# Altium PCB PCB1.pcbdoc
Units mil, origin at the board's own origin, x right, y up, seen from the top; angles counter-clockwise.
Board outline 3162.5 x 2875 mil, 4 copper layers (Top Layer, Inner1, Inner2, Bottom Layer); 70 components, 57 nets, 320 pads, 344 vias.
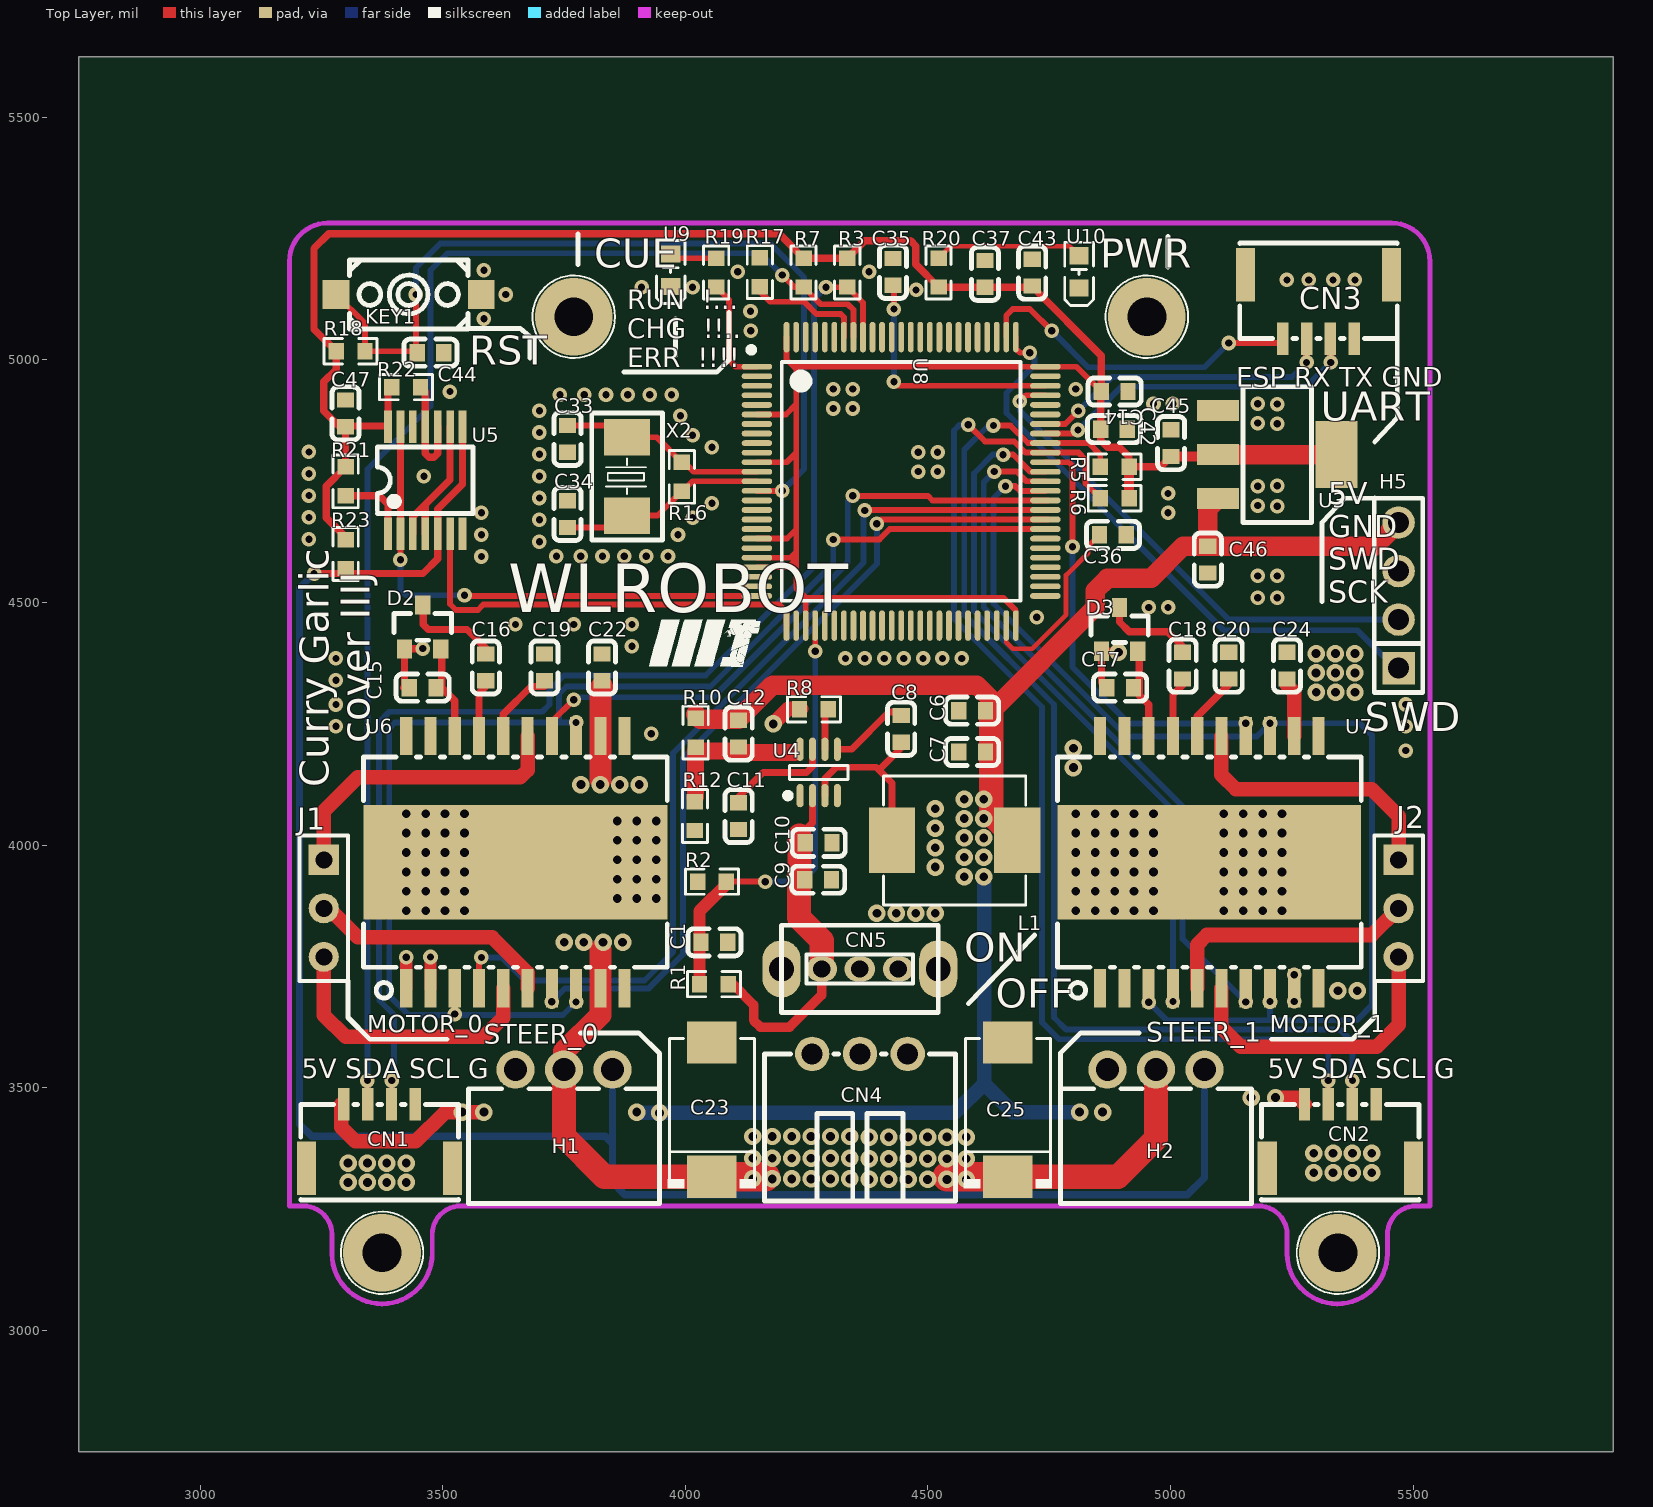
[diagram p0: Top Layer view]
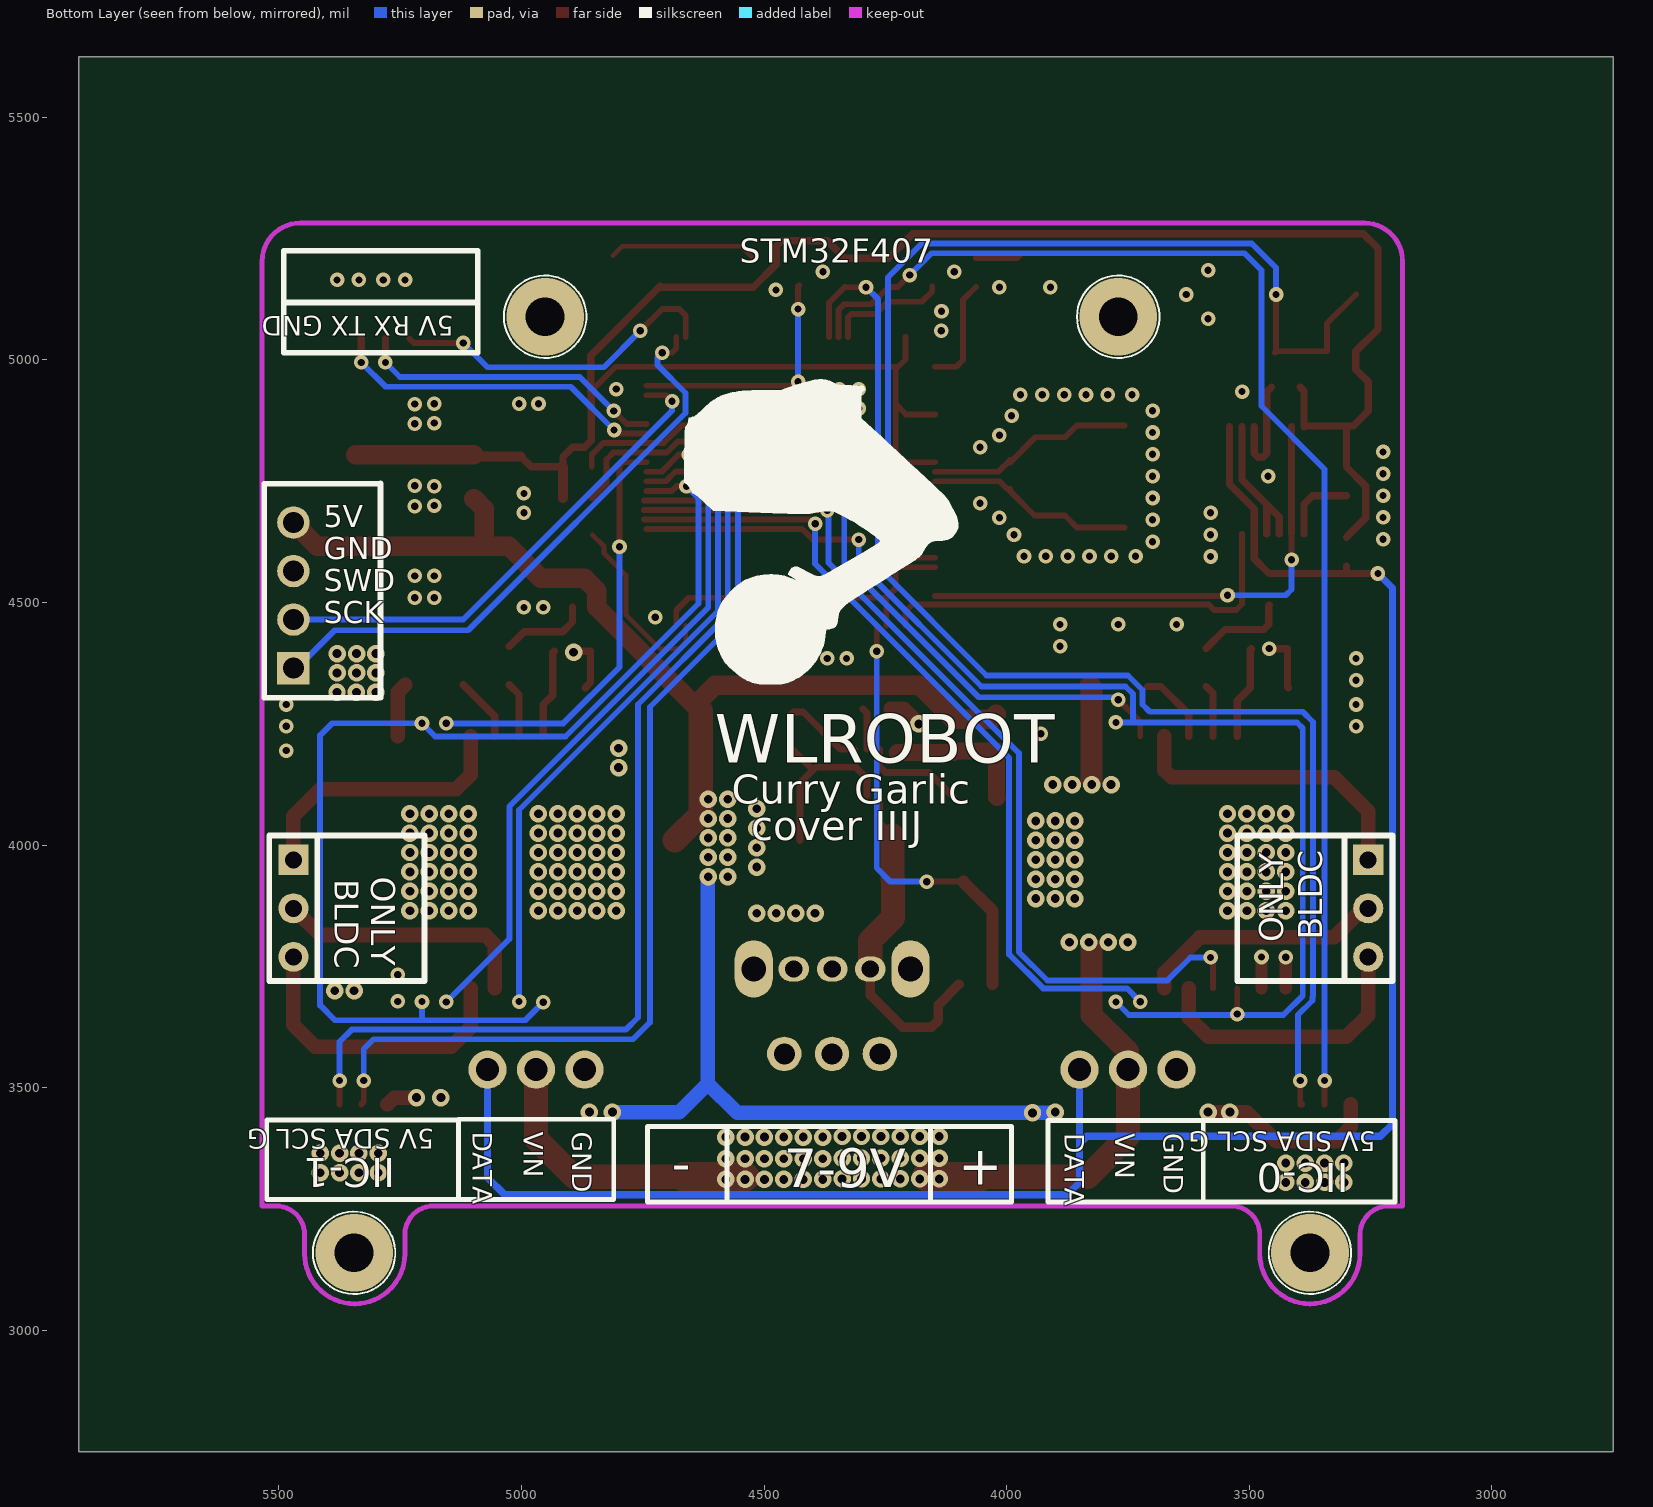
[diagram p1: Bottom Layer view, seen from below]
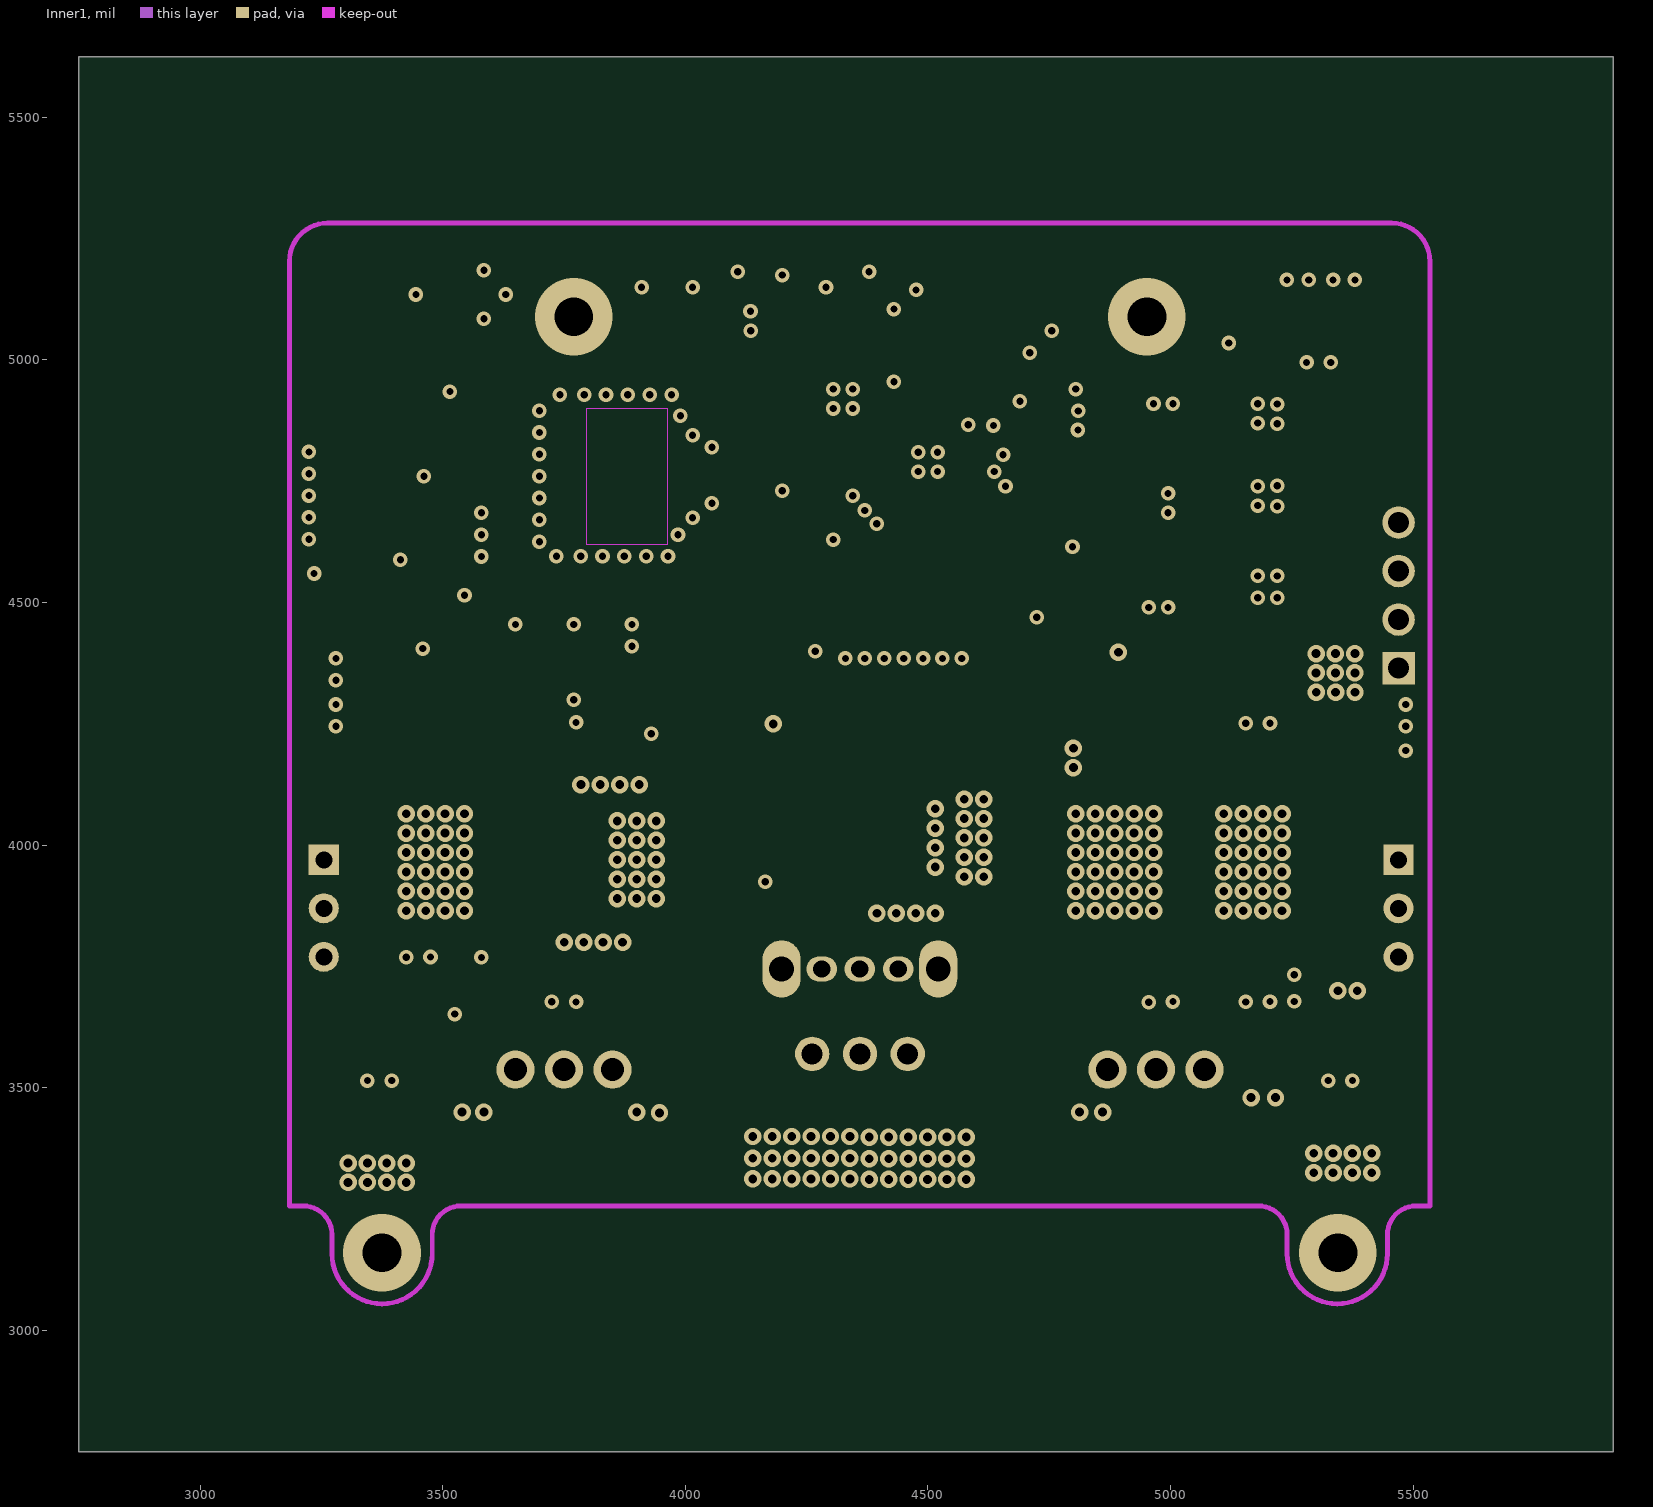
[diagram p2: Inner1]
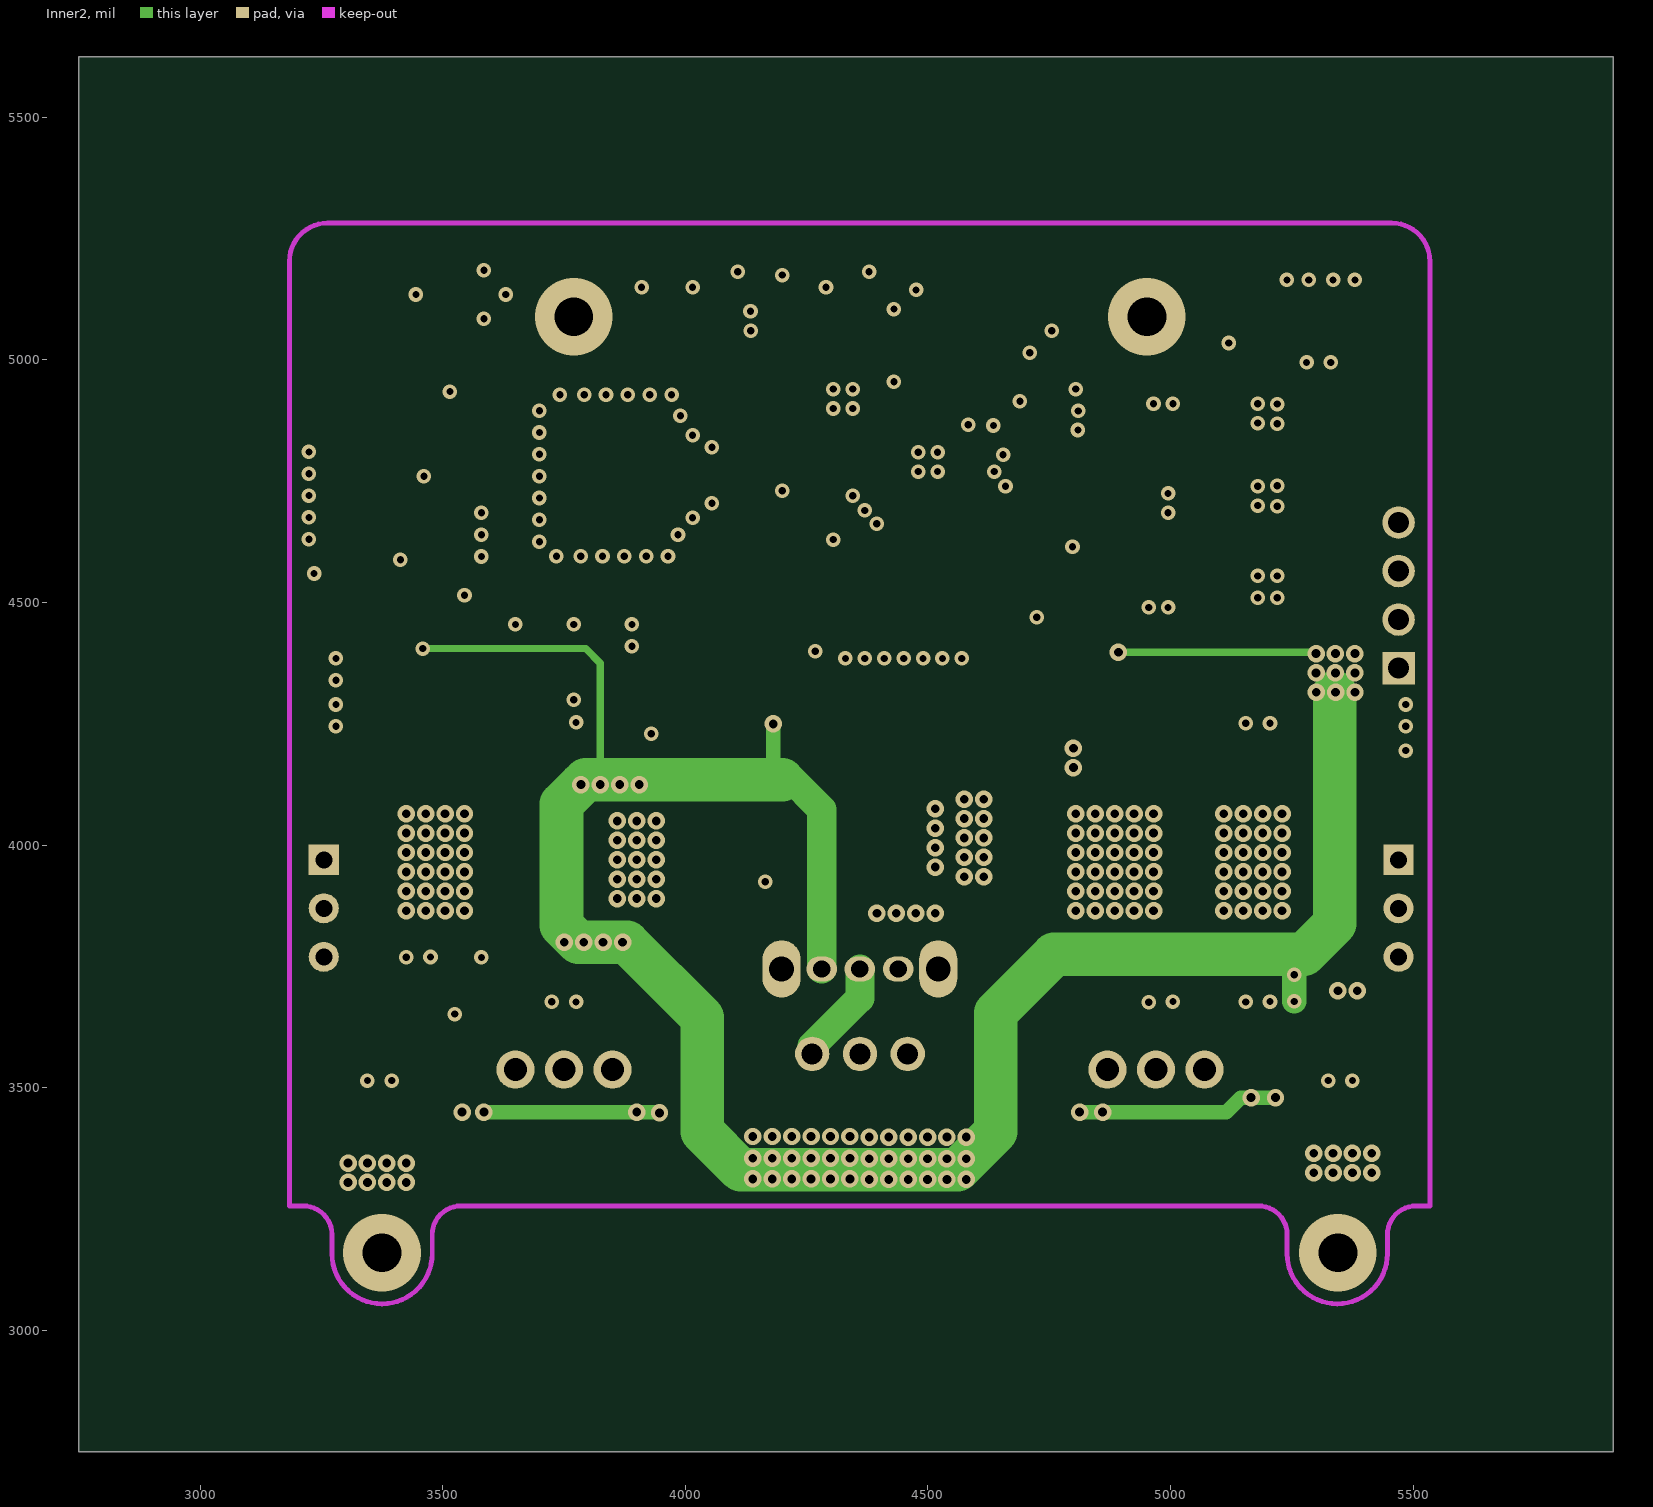
[diagram p3: Inner2]

## Layer stack, top to bottom
Top Layer: signal copper (thickness not stored)
Dielectric: dielectric 12.6, FR-4, Dk 4.8
Inner1: signal copper (thickness not stored)
Dielectric: dielectric 12.6, FR-4, Dk 4.8
Inner2: signal copper (thickness not stored)
Dielectric: dielectric 12.6, FR-4, Dk 4.8
Bottom Layer: signal copper (thickness not stored)

## Board outline
5912.5,2750 2750,2750 2750,5625 5912.5,5625

## Design rules (kind name [scope] priority, off if disabled: settings)
BoardOutlineClearance copperThickness1oz [All] p0: genericclearance=10 ignorepadtopadclearanceinfootprint=FALSE except(0: Arc-SplitContinuation Track-SplitContinuation SMDPad-SplitContinuation THPad-SplitContinuation Via-SplitContinuation Fill-SplitContinuation Poly-SplitContinuation Region-SplitContinuation Text-SplitContinuation; 6: Track-CutoutEdge SMDPad-CutoutEdge THPad-CutoutEdge Via-CutoutEdge Region-CutoutEdge; 11.8: Track-OutlineEdge SMDPad-OutlineEdge THPad-OutlineEdge Via-OutlineEdge Fill-OutlineEdge Region-OutlineEdge Poly-OutlineEdge Text-OutlineEdge Fill-CutoutEdge)
BoardOutlineClearance copperThickness2oz [All] p0: genericclearance=10 ignorepadtopadclearanceinfootprint=FALSE except(0: Arc-SplitContinuation Track-SplitContinuation SMDPad-SplitContinuation THPad-SplitContinuation Via-SplitContinuation Fill-SplitContinuation Poly-SplitContinuation Region-SplitContinuation Text-SplitContinuation; 6: Track-CutoutEdge SMDPad-CutoutEdge THPad-CutoutEdge Via-CutoutEdge Region-CutoutEdge; 11.8: Track-OutlineEdge SMDPad-OutlineEdge THPad-OutlineEdge Via-OutlineEdge Fill-OutlineEdge Region-OutlineEdge Poly-OutlineEdge Text-OutlineEdge Fill-CutoutEdge)
Clearance copperThickness1oz [(InNet('GND') OR InNet('BAT_ADC') OR InNet('VCC-3.3V') OR InNet('VCC-5V') OR InNet('$1N4151') OR InNet('$1N4149') OR InNet('VIN') OR InNet('$1N4146') OR InNet('$1N4153') OR InNet('$1N4127') OR InNet('$1N4212') OR InNet('$1N4128') OR InNet('$1N4131') OR InNet('$1N4213') OR InNet('$1N4132') OR InNet('$1N4124') OR InNet('$1N4123') OR InNet('NRST') OR InNet('SCL_0') OR InNet('SDA_0') OR InNet('SCL_1') OR InNet('SDA_1') OR InNet('TX_0') OR InNet('RX_0') OR InNet('$1N4217') OR InNet('DATA') OR InNet('SWCLK') OR InNet('SWDIO') OR InNet('M0_OUT2') OR InNet('M0_OUT1') OR InNet('M0_OUT3') OR InNet('M1_OUT3') OR InNet('M1_OUT2') OR InNet('M1_OUT1') OR InNet('$1N4184') OR InNet('$1N4145') OR InNet('$1N19370') OR InNet('LED') OR InNet('M0_IN3') OR InNet('M0_EN') OR InNet('M0_IN2') OR InNet('M0_IN1') OR InNet('M1_IN3') OR InNet('M1_IN2') OR InNet('M1_IN1') OR InNet('M1_EN') OR InNet('SERVO_RX') OR InNet('SERVO_TX') OR InNet('$1N19371') OR InNet('$1N19603') OR InNet('PH0') OR InNet('PH1') OR InNet('VCAP_2') OR InNet('VCAP_1') OR InNet('BOOT0') OR InNet('$1N30653') OR InNet('ESP_IO0'))] p1: gap=7 ignorepadtopadclearanceinfootprint=FALSE except(4: Track-Track; 6: Track-SMDPad SMDPad-SMDPad Track-THPad SMDPad-THPad THPad-THPad Track-Via SMDPad-Via THPad-Via Via-Via SMDPad-Fill THPad-Fill Via-Fill Fill-Fill Track-Region SMDPad-Region THPad-Region Via-Region Region-Region Track-Poly SMDPad-Poly THPad-Poly Via-Poly Fill-Poly Region-Poly Poly-Poly Track-Text SMDPad-Text THPad-Text Via-Text Fill-Text Region-Text Poly-Text Text-Text; 6.9: Track-Hole SMDPad-Hole THPad-Hole Via-Hole Fill-Hole Region-Hole Poly-Hole Text-Hole Sheet-Hole; 11.8: Track-Fill Fill-Region Track-Sheet SMDPad-Sheet THPad-Sheet Via-Sheet Fill-Sheet Region-Sheet Poly-Sheet Text-Sheet)
Clearance copperThickness2oz [All] p1: gap=7 ignorepadtopadclearanceinfootprint=FALSE except(6: Track-SMDPad SMDPad-SMDPad Track-THPad SMDPad-THPad THPad-THPad Track-Via SMDPad-Via THPad-Via Via-Via SMDPad-Fill THPad-Fill Via-Fill Fill-Fill Track-Region SMDPad-Region THPad-Region Via-Region Region-Region Track-Poly SMDPad-Poly THPad-Poly Via-Poly Fill-Poly Region-Poly Poly-Poly Track-Text SMDPad-Text THPad-Text Via-Text Fill-Text Region-Text Poly-Text Text-Text; 6.9: Track-Hole SMDPad-Hole THPad-Hole Via-Hole Fill-Hole Region-Hole Poly-Hole Text-Hole Sheet-Hole; 8: Track-Track; 11.8: Track-Fill Fill-Region Track-Sheet SMDPad-Sheet THPad-Sheet Via-Sheet Fill-Sheet Region-Sheet Poly-Sheet Text-Sheet)
DiffPairsRouting differentialPair [All] p1: maxuncoupledlength=10 minlimit=6 maxlimit=6 mostfreqgap=6 toplayer_minwidth=5 toplayer_prefwidth=10 toplayer_maxwidth=100 bottomlayer_minwidth=5 bottomlayer_prefwidth=10 bottomlayer_maxwidth=100 midlayer1_minwidth=5 midlayer1_prefwidth=10 midlayer1_maxwidth=100 midlayer2_minwidth=5 midlayer2_prefwidth=10 midlayer2_maxwidth=100
PasteMaskExpansion pasteMaskExpansion [All] p1: expansion=0
PlaneConnect innerPlane [All] p1: planeconnectstyle=Direct reliefexpansion=20 reliefentries=4 reliefconductorwidth=10 reliefairgap=10
PolygonConnect copperRegion [All] p1: connectstyle=Direct reliefentries=4 reliefconductorwidth=10 polygonreliefangle="90 Angle" airgapwidth=10
RoutingVias viaSize [All] p1: viastyle="Through Hole" holewidth=12 minholewidth=11.8 maxholewidth=248 width=24 minwidth=19.7 maxwidth=393.7
SolderMaskExpansion solderMaskExpansion [All] p1: useseparateexpansions=TRUE expansion=2 expansionbottom=2
Width copperThickness1oz [All] p1: maxlimit=100 minlimit=5 preferedwidth=10
Width copperThickness2oz [All] p1: maxlimit=100 minlimit=8 preferedwidth=10

## Components (designator, comment, footprint, x,y, rotation, side; value= is the part's Value field where it differs from the comment)
C1 "CGA0603X7R104K500JT" C0603 4060,3800 r180 top
C6 "CGA0603X5R226M160JT" C0603 4591.32,4277.23 r0 top
C7 "CGA0603X5R226M160JT" C0603 4591.32,4192.23 r180 top
C8 "CGA0603X7R104K500JT" C0603 4445,4240 r90 top
C9 "CGA0603X5R226M160JT" C0603 4273.94,3928.85 r180 top
C10 "CGA0603X7R104K500JT" C0603 4275,4005 r180 top
C11 "CGA0603X7R104K500JT" C0603 4110,4060 r90 top
C12 "CL10C330JB8NNNC" C0603 4110,4230 r270 top
C14 "CGA0603X7R104K500JT" C0603 4885,4935 r180 top
C15 "CL10B224KA8NNNC" C0603 3458.94,4324.72 r0 top
C16 "CGA0603X5R106K100JT" C0603 3588.94,4366.45 r90 top
C17 "CL10B224KA8NNNC" C0603 4896.32,4324.72 r0 top
C18 "CGA0603X5R106K100JT" C0603 5025,4370 r90 top
C19 "CGA0603X5R105K500JT" C0603 3710,4366.45 r90 top
C20 "CGA0603X5R105K500JT" C0603 5120,4370 r90 top
C22 "CGA0603X7R104K500JT" C0603 3828.45,4366.45 r270 top
C23 "TAJD107M020RNJ" CAP-SMD_L7.3-W4.3-R-RD 4055,3455 r270 top
C24 "CGA0603X7R104K500JT" C0603 5240,4370 r270 top
C25 "TAJD107M020RNJ" CAP-SMD_L7.3-W4.3-R-RD 4665,3455 r270 top
C33 "CC0603JRNPO9BN200" C0603 3757.44,4837.44 r270 top
C34 "CC0603JRNPO9BN200" C0603 3757.44,4682.56 r90 top
C35 "CL10A225KB8NNNC" C0603 4427.93,5181.64 r90 top
C36 "CL10A225KB8NNNC" C0603 4881.4,4639.68 r0 top
C37 "CGA0603X5R106K100JT" C0603 4617.56,5177.56 r270 top
C42 "CGA0603X7R104K500JT" C0603 4883.58,4857.44 r180 top
C43 "CGA0603X7R104K500JT" C0603 4715,5180 r270 top
C44 "CGA0603X5R106K100JT" C0603 3475,5015 r0 top
C45 "CGA0603X5R106K100JT" C0603 5001.24,4828.68 r90 top
C46 "CGA0603X5R106K100JT" C0603 5076.85,4588.56 r270 top
C47 "CGA0603X7R104K500JT" C0603 3300,4890 r90 top
CN1 "A1257WV-S-4P-LCP" CONN-SMD_A1257WV-S-4P 3370,3400 r0 top
CN2 "A1257WV-S-4P-LCP" CONN-SMD_A1257WV-S-4P 5350,3400 r0 top
CN3 "A1257WV-S-4P-LCP" CONN-SMD_A1257WV-S-4P 5305,5110 r180 top
CN4 "HX25003-3WAP" CONN-TH_3P-P2.50_HX25003-3WAP 4360,3570 r0 top
CN5 "SS-12D02-VG4_C136719" SW-TH_SS-12D02-VG4 4360,3745 r0 top
D2 "LBAT54SLT1G" SOT-23_L2.9-W1.3-P1.90-LS2.4-BR 3458.94,4449.93 r270 top
D3 "LBAT54SLT1G" SOT-23_L2.9-W1.3-P1.90-LS2.4-BR 4895,4445 r270 top
H1 "HC-5264-3AW" CONN-TH_5264-3AW 3750,3510 r0 top
H2 "HC-5264-3AW" CONN-TH_5264-3AW 4970,3510 r0 top
H5 "HX PZ-254-1-04-Z-11.5" HDR-TH_4P-P2.54-V-M 5470,4515 r90 top
J1 "77311-102-03LF" HDR-M-2.54_1X3 3255,3870 r270 top
J2 "77311-102-03LF" HDR-M-2.54_1X3 5470,3870 r270 top
KEY1 "K2-1107ST-A4DW-06" KEY-SMD_2P-L6.2-W3.6-LS8.0 3430,5135 r0 top
L1 "4.7uH" IND-SMD_L7.3-W6.6 4555,4010 r180 top
R1 "0603WAF3001T5E" R0603 4058.94,3713.75 r0 top
R2 "0603WAF1001T5E" R0603 4055,3925 r0 top
R3 "0603WAF4701T5E" R0603 4333.88,5180 r90 top
R5 "0603WAF4701T5E" R0603 4885,4780 r0 top
R6 "0603WAF4701T5E" R0603 4885,4715 r0 top
R7 "0603WAF4701T5E" R0603 4243.78,5180 r90 top
R8 "0603WAF1003T5E" R0603 4265,4280 r0 top
R10 "FRC0603F4022TS" R0603 4021.32,4231.88 r90 top
R12 "FRC0603F5491TS" R0603 4020,4060 r90 top
R16 "0603WAF1004T5E" R0603 3993,4759.28 r270 top
R17 "0603WAF1002T5E" R0603 4153.68,5180.99 r90 top
R18 "0603WAF1002T5E" R0603 3310.28,5017.91 r180 top
R19 "0603WAF1002T5E" R0603 4063.58,5180 r270 top
R20 "0603WAF1002T5E" R0603 4521.97,5180 r270 top
R21 "0603WAF1002T5E" R0603 3300,4750 r90 top
R22 "0603WAF1002T5E" R0603 3424.71,4944.12 r180 top
R23 "0603WAF1002T5E" R0603 3300,4600 r90 top
U3 "AMS1117-3.3_C347222" SOT-223_L6.7-W3.5-P2.30-BR 5220,4805 r180 top
U4 "MP2225GJ-Z_C133066" TSOT-23-8_L2.9-W1.6-P0.65-LS2.8-BR 4275,4150 r270 top
U5 "SN74HC126PWR" TSSOP-14_L5.0-W4.4-P0.65-LS6.4-BL 3464.18,4752.18 r0 top
U6 "L6234PD013TR" POWERSO20_L15.9-W11.0-P1.27-LS14.2-BL-EP 3650,3965 r0 top
U7 "L6234PD013TR" POWERSO20_L15.9-W11.0-P1.27-LS14.2-BL-EP 5080,3965 r0 top
U8 "STM32F407VGT6" LQFP-100_L14.0-W14.0-P0.50-LS16.0-BL 4445,4750 r270 top
U9 "YLED0603R" LED0603-FD 3970,5185 r270 top
U10 "YLED0603R" LED0603-FD 4811.53,5181.53 r270 top
X2 "X50328MSB2GI" CRYSTAL-SMD_L5.0-W3.2 3880,4760 r270 top
